# Altium PCB PCB2.PcbDoc
Units mil, origin at the board's own origin, x right, y up, seen from the top; angles counter-clockwise.
Board outline 4842.52 x 3464.57 mil, 2 copper layers (Top Layer, Bottom Layer); 121 components, 88 nets, 379 pads, 217 vias.
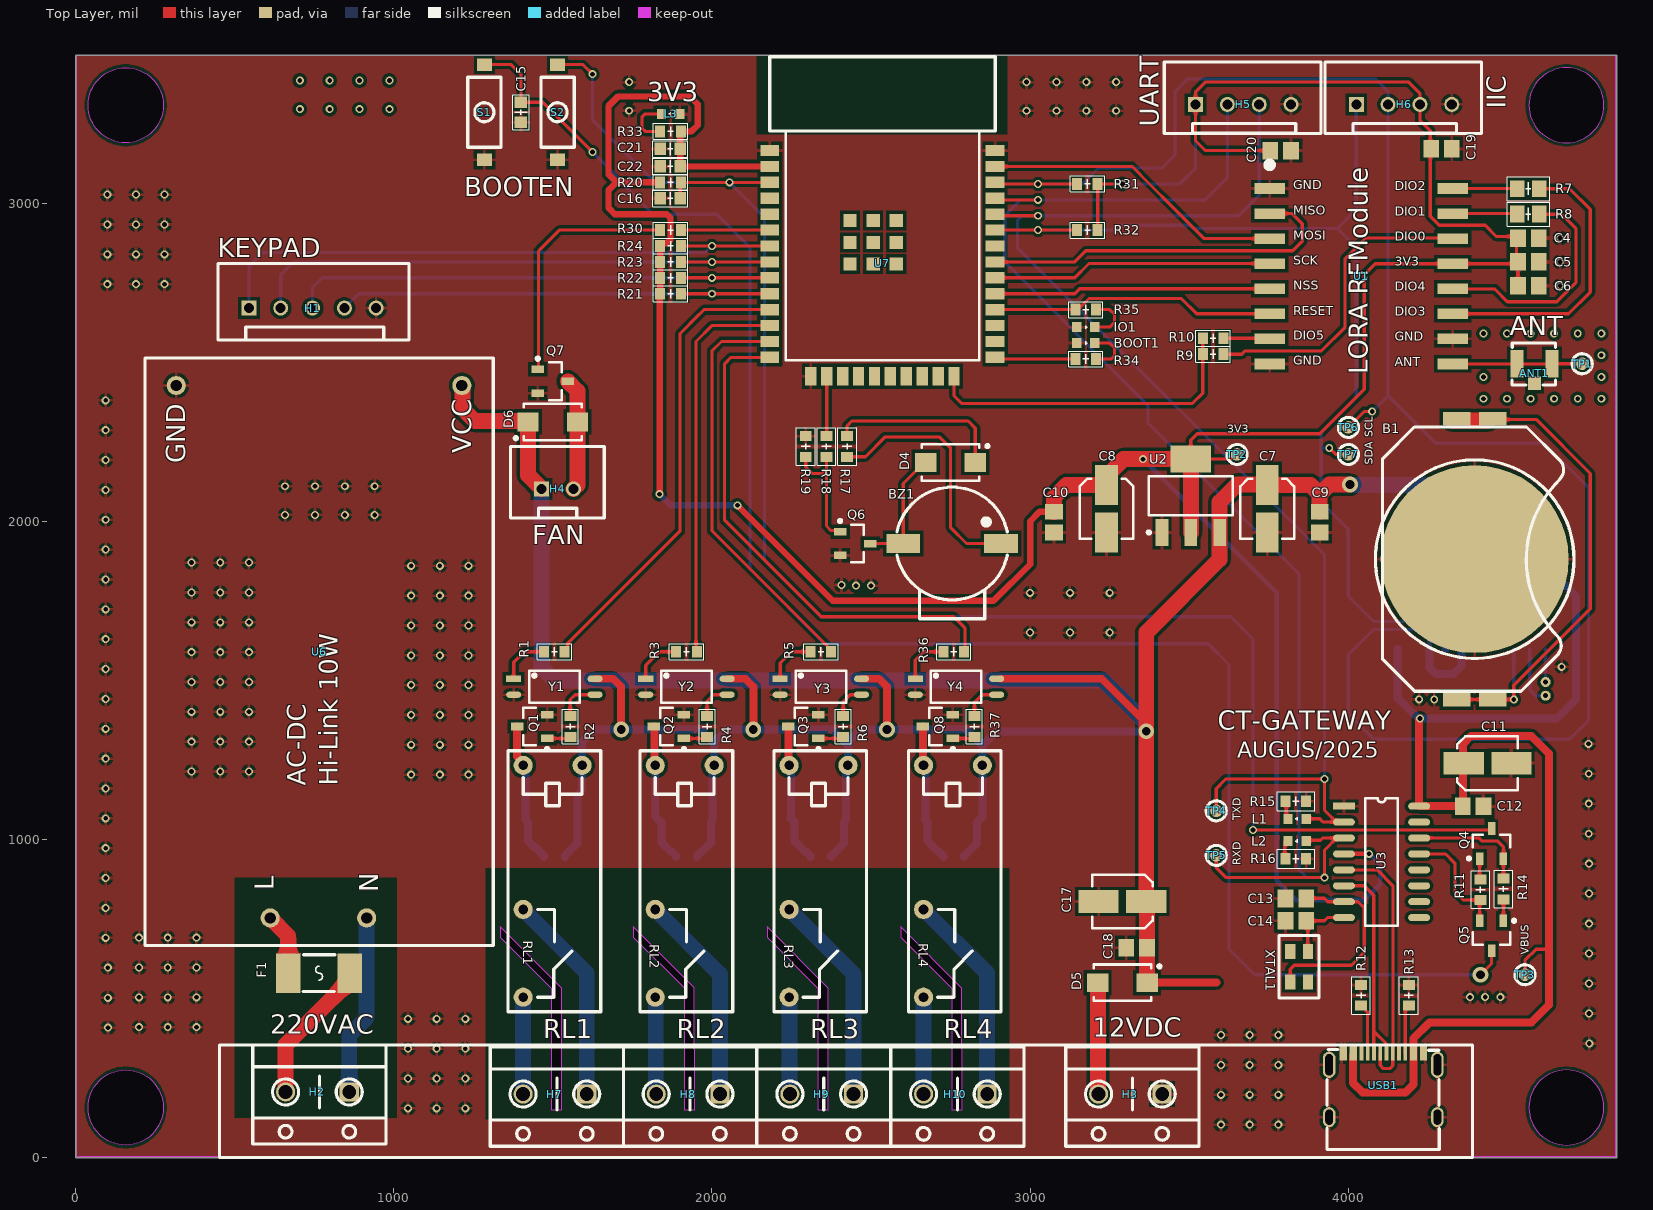
[diagram p0: Top Layer view]
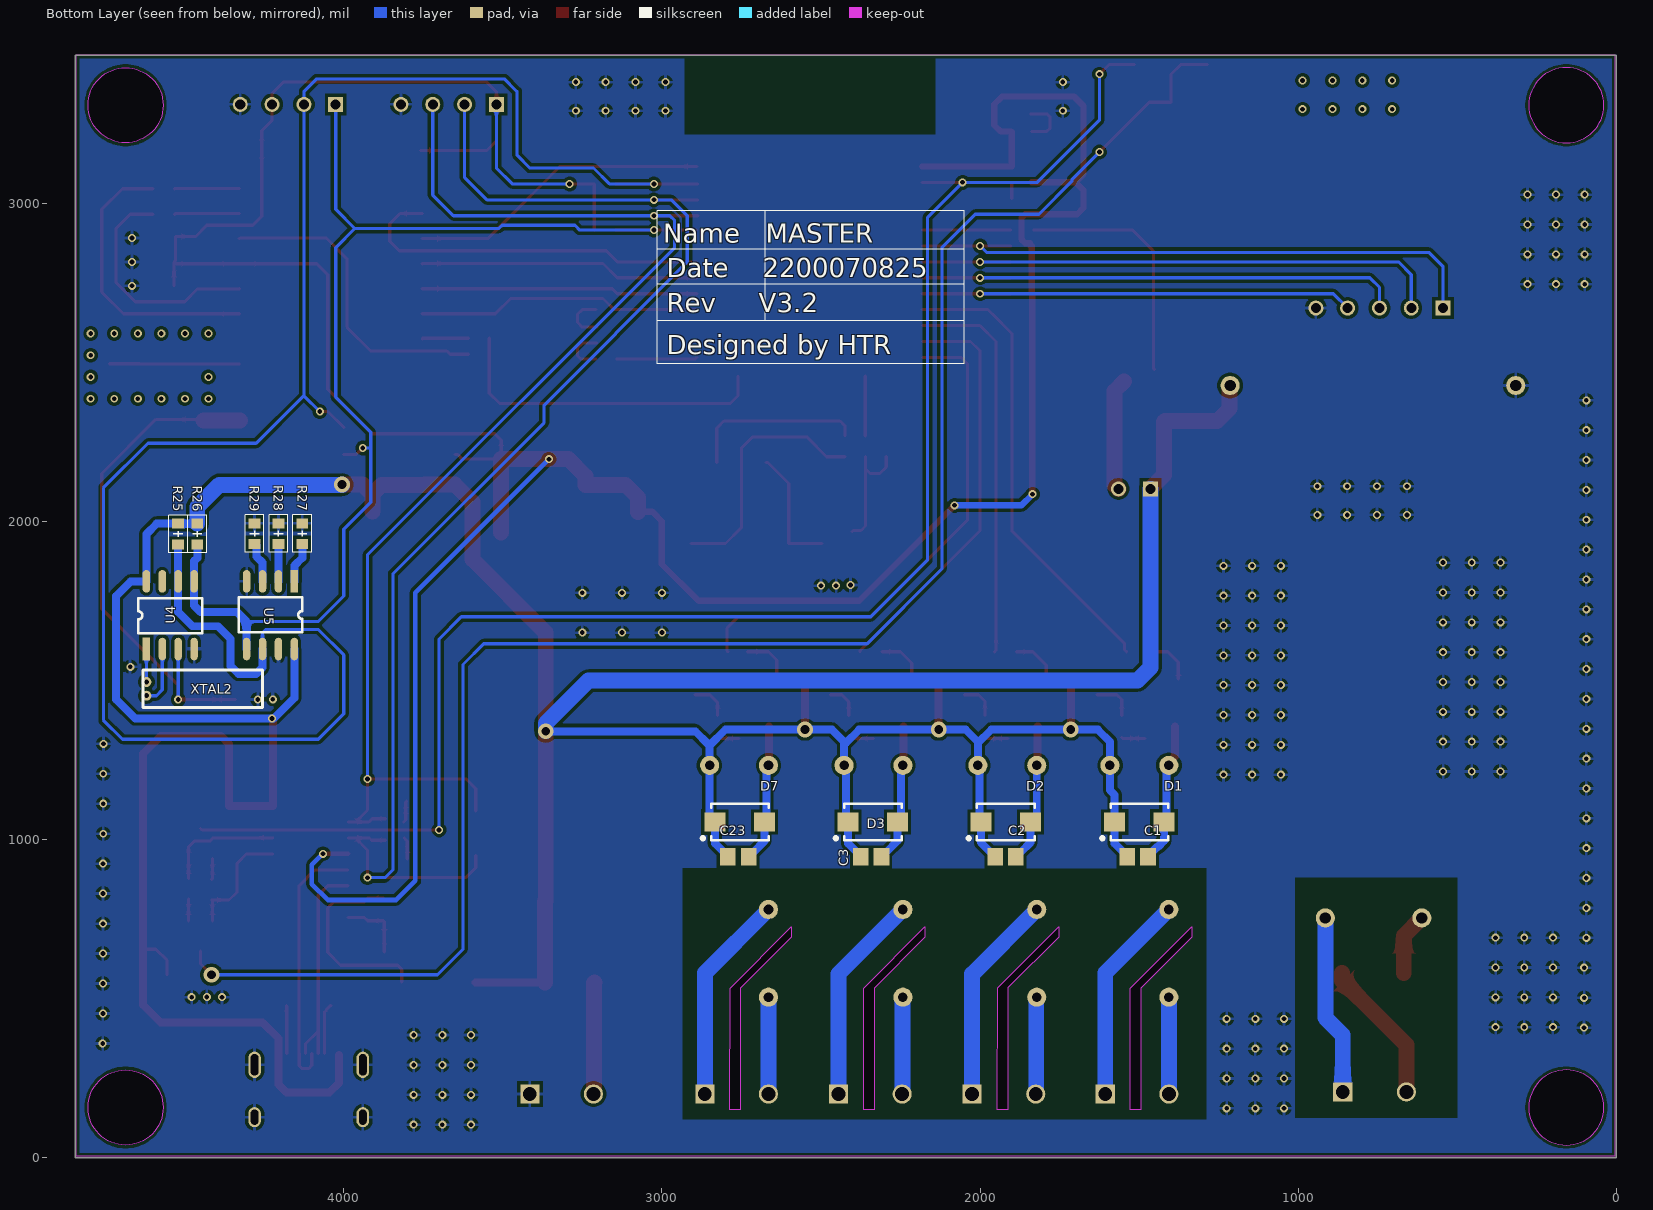
[diagram p1: Bottom Layer view, seen from below]
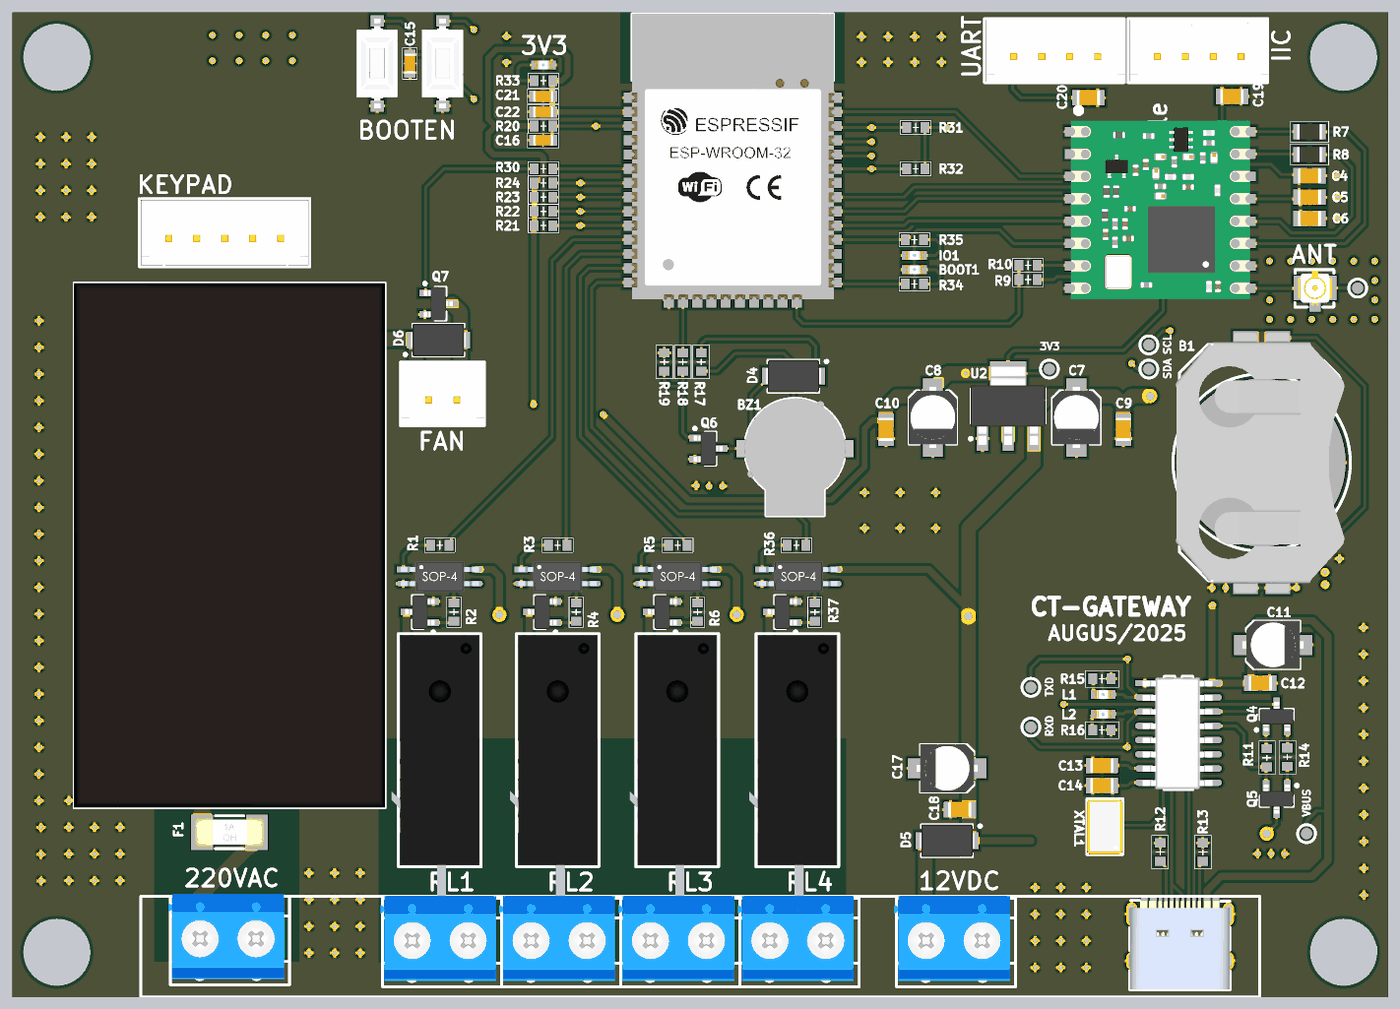
[diagram p2: 3D render of the assembled board from above, using the file's embedded part models]
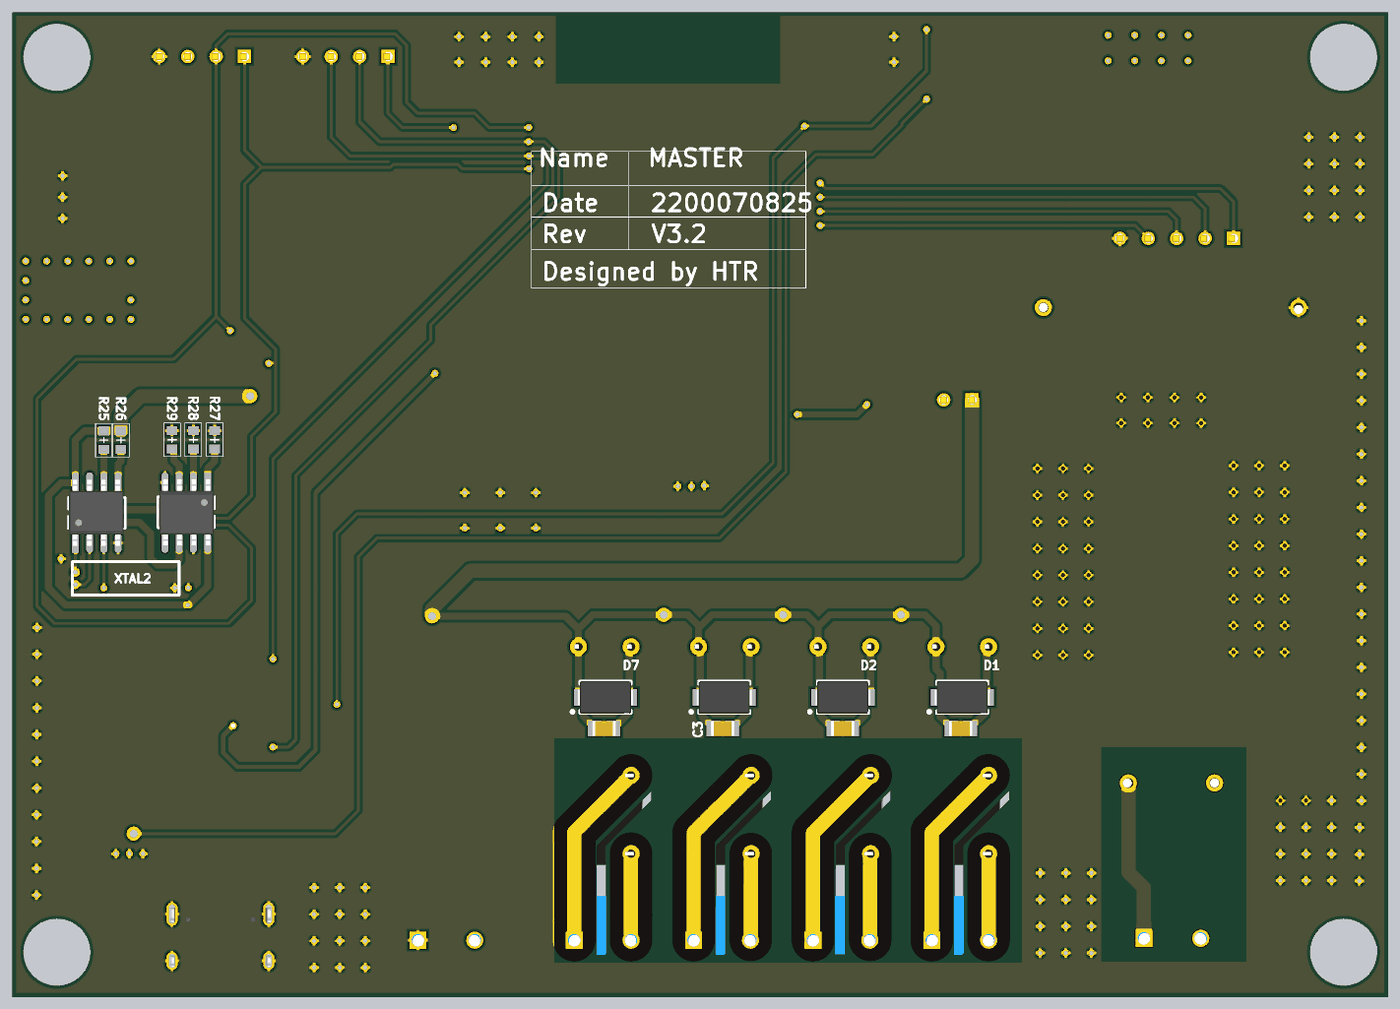
[diagram p3: 3D render of the assembled board from below, using the file's embedded part models]

## Layer stack, top to bottom
Top Solder: solder mask 0.4, Solder Resist, Dk 3.5
Top Layer: signal copper 1.4
Dielectric 1: dielectric 12.6, FR-4, Dk 4.8
Bottom Layer: signal copper 1.4
Bottom Solder: solder mask 0.4, Solder Resist, Dk 3.5

## Board outline
0.25,0.25 0.25,3464.82 4842.77,3464.82 4842.77,0.25
cut-out: 4567.18,157.73 ccw(c4685.29,157.73) 4685.29,39.62 ccw(c4685.29,157.73) 4803.4,157.73 ccw(c4685.29,157.73) 4685.29,275.84 ccw(c4685.29,157.73)
cut-out: 157.73,39.62 cw(c157.73,157.73) 39.62,157.73 cw(c157.73,157.73) 157.73,275.84 cw(c157.73,157.73) 275.84,157.73 cw(c157.73,157.73)
cut-out: 4567.18,3307.34 ccw(c4685.29,3307.34) 4685.29,3189.23 ccw(c4685.29,3307.34) 4803.4,3307.34 ccw(c4685.29,3307.34) 4685.29,3425.45 ccw(c4685.29,3307.34)
cut-out: 157.73,3189.23 cw(c157.73,3307.34) 39.62,3307.34 cw(c157.73,3307.34) 157.73,3425.45 cw(c157.73,3307.34) 275.84,3307.34 cw(c157.73,3307.34)
cut-out: 2593.33,692.5 2753.33,532.5 2753.33,150 2786.29,150 2785.83,532.5 2593.33,725
cut-out: 2173.33,692.5 2333.33,532.5 2333.33,150 2366.29,150 2365.83,532.5 2173.33,725
cut-out: 1752.58,693.25 1912.58,533.25 1912.58,150.75 1945.53,150.75 1945.08,533.25 1752.58,725.75
cut-out: 1335,692.5 1495,532.5 1495,150 1527.95,150 1527.5,532.5 1335,725

## Design rules (kind name [scope] priority, off if disabled: settings)
Clearance [All] p1: gap=10 ignorepadtopadclearanceinfootprint=FALSE except(0: Arc-Hole Track-Hole SMDPad-Hole THPad-Hole Via-Hole Fill-Hole Poly-Hole Region-Hole Text-Hole; 4: SMDPad-SMDPad; 5: Arc-Arc Arc-Track Arc-SMDPad Track-Track Track-SMDPad)
PolygonConnect [All] p1: connectstyle=Relief reliefconductorwidth=10 reliefentries=4 polygonreliefangle="90 Angle" airgapwidth=10
RoomDefinition Fan_Block [InComponentClass('Fan_Block')] p1: confinementstyle=ConfineIn formatcopy=TRUE lockcomponents=FALSE outline 2035,2980 1187.24,2980 1187.24,1945 2035,1945
RoomDefinition Relay_Connector_Block [InComponentClass('Relay_Connector_Block')] p2: confinementstyle=ConfineIn formatcopy=TRUE lockcomponents=FALSE outline 1286.67,0 3006.67,0 3006.67,500 1286.67,500
RoomDefinition Buzzer_Block [InComponentClass('Buzzer_Block')] p3: confinementstyle=ConfineIn formatcopy=TRUE lockcomponents=FALSE outline 1785,1675 2990,1675 2990,2960 1785,2960
RoomDefinition Button_Block [InComponentClass('Button_Block')] p4: confinementstyle=ConfineIn formatcopy=TRUE lockcomponents=FALSE outline 335,2545 2035,2545 2035,3460 335,3460
RoomDefinition RTC_Block [InComponentClass('RTC_Block')] p5: confinementstyle=ConfineIn formatcopy=TRUE lockcomponents=FALSE outline 3920,1401.69 4740,1401.69 4740,2376.69 3920,2376.69
RoomDefinition U_3V3_Block [InComponentClass('U_3V3_Block')] p6: confinementstyle=ConfineIn formatcopy=TRUE lockcomponents=FALSE outline 3005,1850.2 3970,1850.2 3970,2255 3005,2255
RoomDefinition U_DC_POWER_Block [InComponentClass('U_DC_POWER_Block')] p7: confinementstyle=ConfineIn formatcopy=TRUE lockcomponents=FALSE outline 3030,0 3645,0 3645,965 3030,965
RoomDefinition U_AC_POWER_Block [InComponentClass('U_AC_POWER_Block')] p8: confinementstyle=ConfineIn formatcopy=TRUE lockcomponents=FALSE outline 210.26,31.61 1325.26,31.61 1325.26,2545 210.26,2545
RoomDefinition USB_Block [InComponentClass('USB_Block')] p9: confinementstyle=ConfineIn formatcopy=TRUE lockcomponents=FALSE outline 3535,12.24 4637.4,12.24 4637.4,1389.49 3535,1389.49
RoomDefinition U_MCU [InComponentClass('U_MCU')] p10: confinementstyle=ConfineIn formatcopy=TRUE lockcomponents=FALSE outline 1700,2275 3390,2275 3390,3470 1700,3470
RoomDefinition Relay4_Block [InComponentClass('Relay4_Block')] p11: confinementstyle=ConfineIn formatcopy=TRUE lockcomponents=FALSE outline 2600,435 2925,435 2925,1650 2600,1650
RoomDefinition Connector_Block [InComponentClass('Connector_Block')] p12: confinementstyle=ConfineIn formatcopy=TRUE lockcomponents=FALSE outline 3400,3110 4435,3110 4435,3465 3400,3465
RoomDefinition RF_Block [InComponentClass('RF_Block')] p13: confinementstyle=ConfineIn formatcopy=TRUE lockcomponents=FALSE outline 3500,2370 4840.55,2370 4840.55,3460 3500,3460
RoomDefinition Relay3_Block [InComponentClass('Relay3_Block')] p14: confinementstyle=ConfineIn formatcopy=TRUE lockcomponents=FALSE outline 2167.48,435 2505,435 2505,1650 2167.48,1650
RoomDefinition Relay2_Block [InComponentClass('Relay2_Block')] p15: confinementstyle=ConfineIn formatcopy=TRUE lockcomponents=FALSE outline 1760,435 2080,435 2080,1650 1760,1650
RoomDefinition Relay1_Block [InComponentClass('Relay1_Block')] p16: confinementstyle=ConfineIn formatcopy=TRUE lockcomponents=FALSE outline 1345,435 1665,435 1665,1650 1345,1650
RoutingVias [All] p1: holewidth=15 width=25 viastyle="Through Hole" minholewidth=28 minwidth=50 maxholewidth=10 maxwidth=20
SolderMaskExpansion [All] p1: expansion=4 istentingtop=FALSE
Width [All] p1: maxlimit=50 minlimit=10 preferedwidth=10 minimp=50.000000 maximp=50.000000 favimp=50.000000
30 further rules are at their usual default settings.

## Classes and differential pairs
component class U_3V3_Block: C7 C8 C9 C10 TP2 U2
component class U_DC_POWER_Block: C17 C18 D5 H3
component class U_AC_POWER_Block: F1 H2 U6
component class U_MCU: BOOT1 C21 C22 IO1 L3 R31 R32 R33 R34 R35 U7
component class Relay_Connector_Block: H7 H8 H9 H10
component class Relay4_Block: C23 D7 Q8 R36 R37 RL4 Y4
component class Connector_Block: C19 C20 H5 H6
component class USB_Block: C11 C12 C13 C14 L1 L2 Q4 Q5 R11 R12 R13 R14 R15 R16 TP3 TP4 TP5 U3 USB1 XTAL1
component class Fan_Block: D6 H4 Q7 R30
component class RTC_Block: B1 R25 R26 R27 R28 R29 TP6 TP7 U4 U5 XTAL2
component class RF_Block: ANT1 C4 C5 C6 R7 R8 R9 R10 TP1 U1
component class Relay3_Block: C3 D3 Q3 R5 R6 RL3 Y3
component class Relay2_Block: C2 D2 Q2 R3 R4 RL2 Y2
component class Relay1_Block: C1 D1 Q1 R1 R2 RL1 Y1
component class Buzzer_Block: BZ1 D4 Q6 R17 R18 R19
component class Button_Block: C15 C16 H1 R20 R21 R22 R23 R24 S1 S2

## Components (designator, comment, footprint, x,y, rotation, side; value= is the part's Value field where it differs from the comment)
ANT1 "IPEX-U.FL-R" "IPEX Connector SMD" 4585,2495 r0 top
B1 "CR2032" CR2032-SMD-Thick 4397.09,1880.94 r90 top
BOOT1 "LED-BLUE" LED-0603-BLUE 3175,2560 r180 top
BZ1 "Buzzer" AST0927MW-03TRQ 2755,1930 r0 top
C1 "100nF" C0805 1505,945 r0 bottom
C2 "100nF" C0805 1920,945 r0 bottom
C3 "100nF" C0805 2342.48,945 r0 bottom
C4 "100nF" C0805 4565.55,2890 r180 top
C5 "1uF" C0805 4565.55,2815 r180 top
C6 "100uF" C0805 4565.55,2740 r180 top
C7 "1uF" CAP-AL-4x5.4 3745,2039.65 r270 top
C8 "1uF" CAP-AL-4x5.4 3240,2039.65 r270 top
C9 "1uF" C0805 3910,1997.32 r90 top
C10 "1uF" C0805 3075,1997.32 r90 top
C11 "10uF" CAP-AL-4x5.4 4437.4,1239.49 r0 top
C12 "100nF" C0805 4392.4,1104.49 r180 top
C13 "100nF" C0805 3835,814.49 r0 top
C14 "100nF" C0805 3835,744.49 r0 top
C15 "100nF" C0603 1400,3285 r270 top
C16 "1uF" C0603 1869.06,3015 r180 top
C17 "470uF" CAP-AL-4x5.4 3290.2,805 r180 top
C18 "100nF" C0805 3335,660 r0 top
C19 "100nF" C0805 4292.52,3170 r180 top
C20 "100nF" C0805 3787.52,3165 r180 top
C21 "1uF" C0603 1869.05,3170 r0 top
C22 "100nF" C0603 1869.05,3115 r0 top
C23 "100nF" C0805 2760,945 r0 bottom
D1 "1N4148WS" SMA 1499.62,1055 r0 bottom
D2 "1N4148WS" SMA 1919.54,1055 r0 bottom
D3 "1N4148WS" SMA 2337.1,1055 r0 bottom
D4 "1N4148WS" SMA 2749.62,2185 r0 top
D5 "Schottky Diodes" SMA 3290,550 r0 top
D6 "1N4148WS" SMA 1500,2312.24 r180 top
D7 "1N4148WS" SMA 2755,1055 r0 bottom
F1 "MF-MSMFxx" Fuse-1808 765.39,580 r180 top
H1 "KEYPAD" XH-2.54-5P 545,2670 r0 top
H2 "220VAC" KF301-2-V 860.26,206.61 r180 top
H3 "12VDC" KF301-2-V 3415,200 r180 top
H4 "FAN" XH-2.54-2P 1465,2101.69 r0 top
H5 "UART" XH-2.54-4P 3520,3310 r0 top
H6 "IIC" XH-2.54-4P 4025,3310 r0 top
H7 "RL1" KF301-2-V 1606.67,200 r180 top
H8 "RL2" KF301-2-V 2025,200 r180 top
H9 "RL3" KF301-2-V 2445,200 r180 top
H10 "RL4" KF301-2-V 2865,200 r180 top
IO1 "IO17" LED-0603-BLUE 3175,2610 r180 top
L1 "LED-BLUE" LED-0603-BLUE 3838.94,1065 r0 top
L2 "LED-BLUE" LED-0603-BLUE 3838.94,995 r0 top
L3 "3V3" LED-0603-BLUE 1870,3280 r0 top
Q1 "S8050" SOT-23 1435,1355 r180 top
Q2 "S8050" SOT-23 1865,1355 r180 top
Q3 "S8050" SOT-23 2287.48,1355 r180 top
Q4 "S8050" SOT-23 4450,987.24 r90 top
Q5 "S8050" SOT-23 4450,697.24 r270 top
Q6 "S8050" SOT-23 2450,1930 r0 top
Q7 "S8050" SOT-23 1500,2440 r0 top
Q8 "S8050" SOT-23 2710,1355 r180 top
R1 "560R" R0603 1505,1590 r180 top
R2 "1K" R0603 1555,1355 r90 top
R3 "560R" R0603 1920,1590 r180 top
R4 "1K" R0603 1985,1355 r90 top
R5 "560R" R0603 2342.48,1590 r180 top
R6 "1K" R0603 2412.48,1355 r90 top
R7 "10K" R0805 4565.55,3045 r0 top
R8 "10K" R0805 4565.55,2965 r0 top
R9 "10K" R0603 3575,2525 r180 top
R10 "10K" R0603 3575,2575 r0 top
R11 "1K" R0603 4415,842.24 r90 top
R12 "5.1K" R0603 4040,510 r90 top
R13 "5.1K" R0603 4190,510 r270 top
R14 "1K" R0603 4487.4,844.49 r270 top
R15 "560R" R0603 3835,1120 r180 top
R16 "560R" R0603 3835,939.49 r180 top
R17 "10R" R0603 2425,2235 r90 top
R18 "2K2" R0603 2360,2235 r90 top
R19 "10K" R0603 2295,2235 r90 top
R20 "10K" R0603 1870.06,3065 r180 top
R21 "10K" R0603 1870.05,2715 r0 top
R22 "10K" R0603 1870.05,2765 r0 top
R23 "10K" R0603 1870.05,2815 r0 top
R24 "10K" R0603 1870.05,2865 r0 top
R25 "10K" R0603 4520,1960 r90 bottom
R26 "10K" R0603 4460,1960 r90 bottom
R27 "10K" R0603 4130,1961.14 r270 bottom
R28 "10K" R0603 4205,1961.14 r270 bottom
R29 "10K" R0603 4280,1961.14 r270 bottom
R30 "1K" R0603 1870,2915 r180 top
R31 "10K" R0603 3179.95,3060 r180 top
R32 "10K" R0603 3179.95,2915 r180 top
R33 "560R" R0603 1870,3225 r180 top
R34 "560R" R0603 3175,2510 r0 top
R35 "560R" R0603 3175,2665 r0 top
R36 "560R" R0603 2760,1590 r180 top
R37 "1K" R0603 2825,1355 r90 top
RL1 "HF46F" HF-46-X 1499.5,1232.76 r270 top
RL2 "HF46F" HF-46-X 1914.5,1232.76 r270 top
RL3 "HF46F" HF-46-X 2335,1232.76 r270 top
RL4 "HF46F" HF-46-X 2757.52,1232.76 r270 top
S1 "BOOT" BTN-SMD-3x6 1285,3135.79 r90 top
S2 "EN" BTN-SMD-3x6 1515,3135.79 r90 top
TP1 "ANT" "Test Point" 4735,2495 r0 top
TP2 "3V3" "Test Point" 3650,2210 r0 top
TP3 "VBUS" "Test Point" 4555,575 r0 top
TP4 "TXD" "Test Point" 3585,1090 r90 top
TP5 "RXD" "Test Point" 3585,950 r90 top
TP6 "SCL" "Test Point" 4000,2295 r180 top
TP7 "SDA" "Test Point" 4000,2210 r0 top
U1 "RFM95/96/97/98" "LORA RFM95/96/97/98W" 4040.55,2770 r0 top
U2 "AMS1117" SOT-223 3505,2080 r90 top
U3 "CH340C" SOP-16 3986.18,1104.49 r0 top
U4 "DS1307" SOIC8 4620,1598.54 r90 bottom
U5 "AT24CxxD" SOIC8 4155,1811.14 r270 bottom
U6 "HLK-Hilink 24/12/5V 10W" "HLK-HiLink AC-DC 10W" 765.39,1590 r90 top
U7 "ESP32-WROOM-32" ESP32-WROOM-32 2181.73,3165 r0 top
USB1 "TYPE-C CONNECTOR" USB-C-H-K-16P 4109.92,24.88 r0 top
XTAL1 "16Mhz" "Crystal 5032" 3845,600 r90 top
XTAL2 "32.768Khz" "CRYSTAL DT38" 4620,1473.35 r270 bottom
Y1 "PHOTOCOUPLER" SOP-4 1377.05,1505 r0 top
Y2 "PHOTOCOUPLER" SOP-4 1792.05,1505 r0 top
Y3 "PHOTOCOUPLER" SOP-4 2214.53,1505 r0 top
Y4 "PHOTOCOUPLER" SOP-4 2639.09,1505 r0 top
